# Allegro board RK3576_TEMPLATE_LP4XD200P132SD6_24X34_2133MHz_H1R6_V11_20240529YWQ.brd (continued)
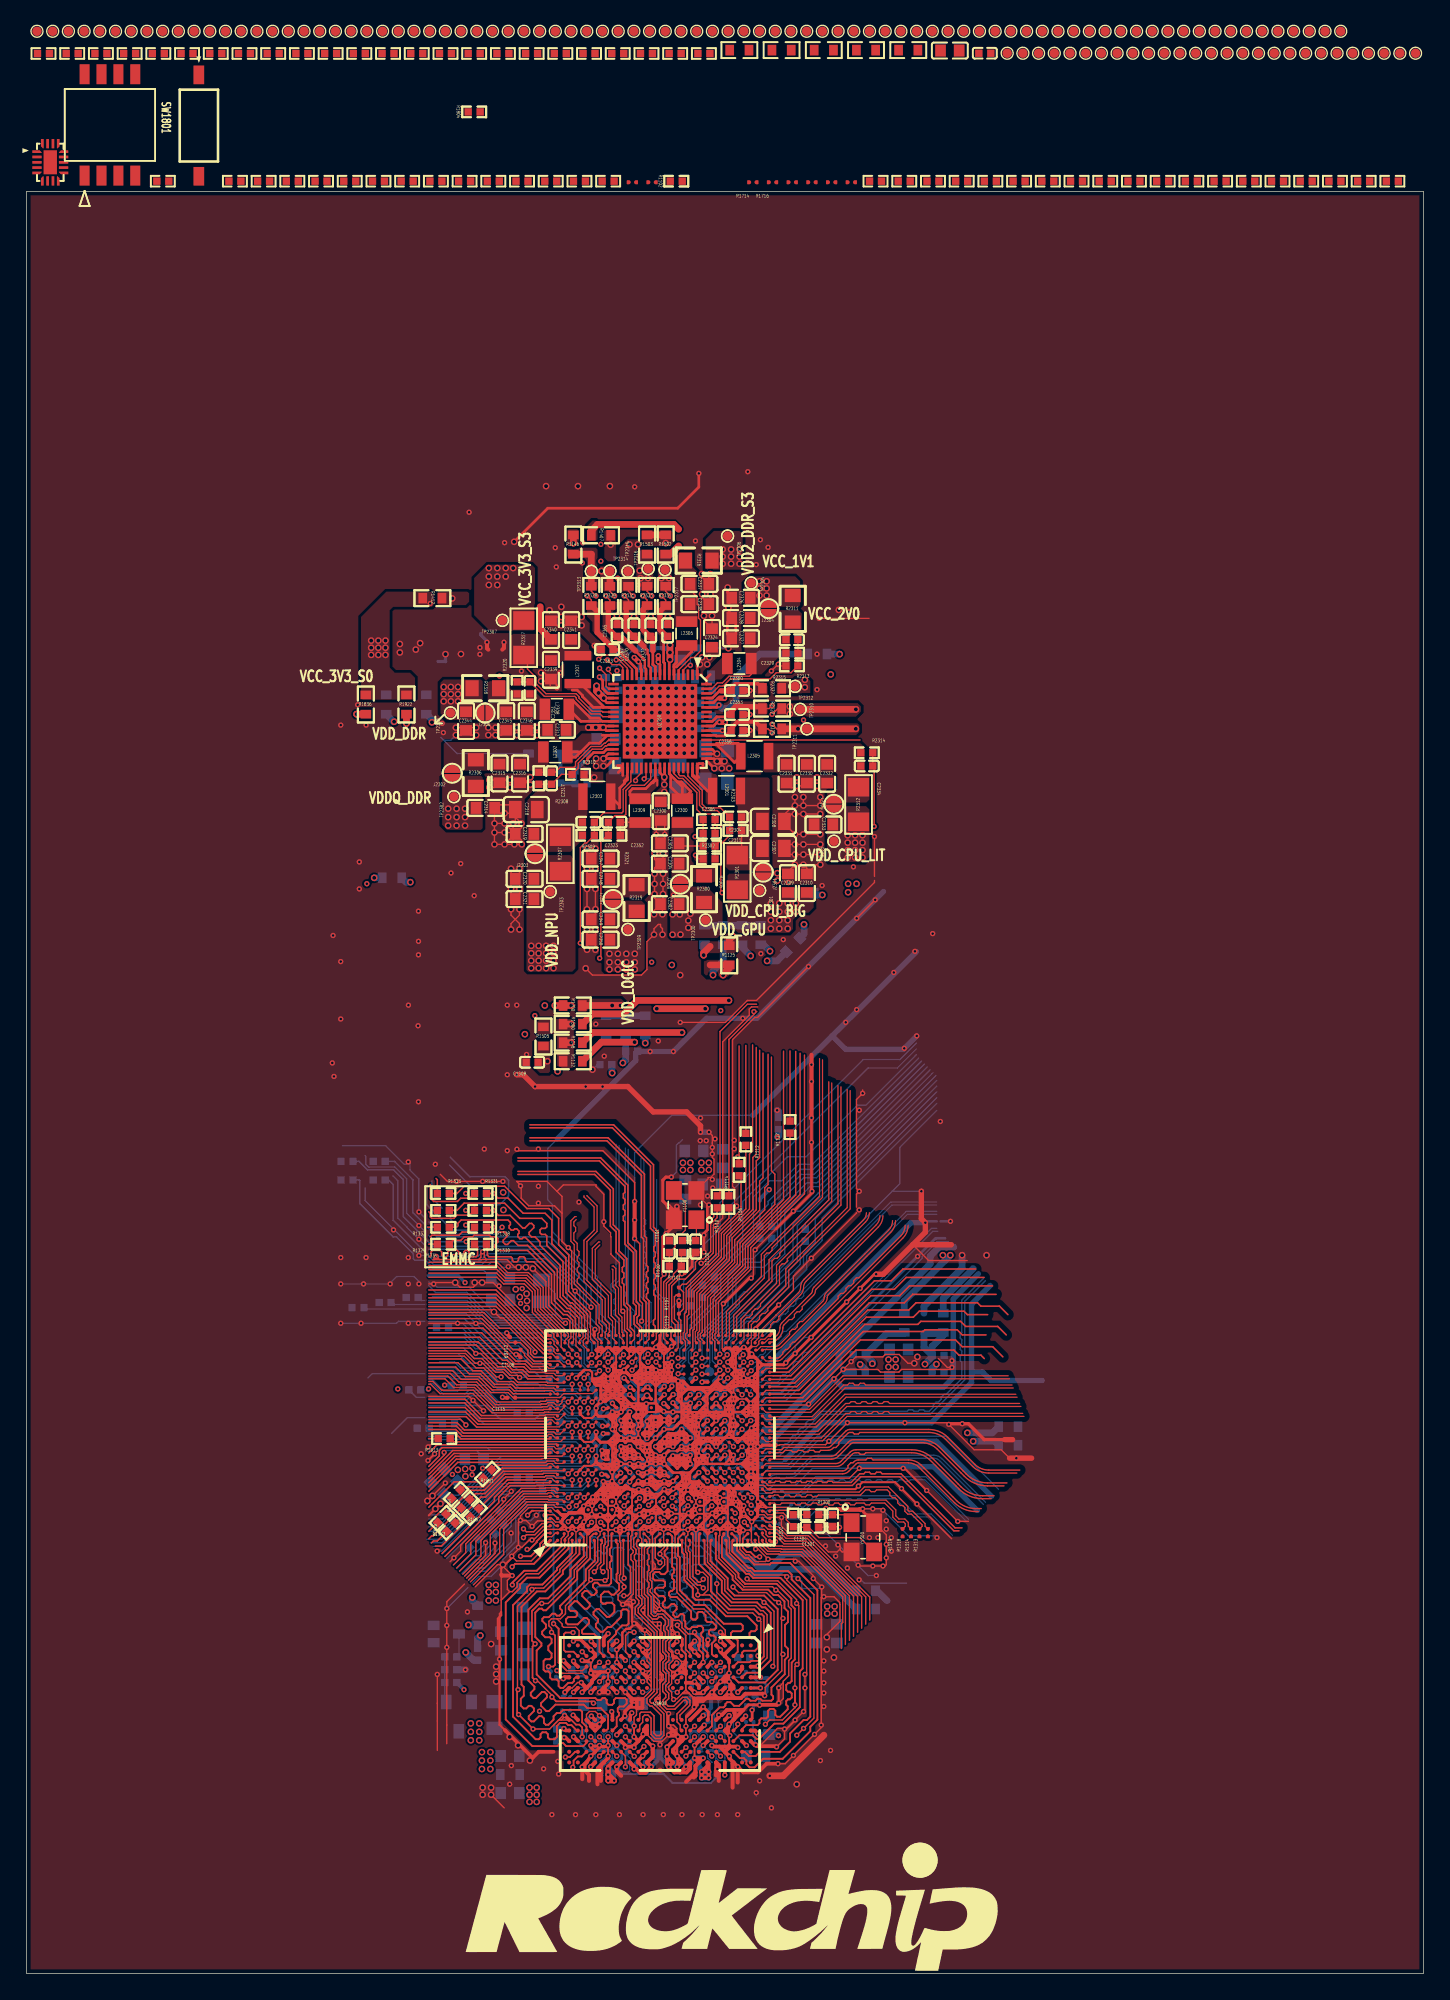
[diagram p0: board, top side]
## Routing (per net, layer and track width the routed paths; a pad name or vN(x,y) marks a point on that pad's centre or on a via; arc(x,y) is an arc through that point) (continued)
VCC5V0_SYS_S5: length 20.7
  TOP w0.203: v2(51.71,90.6) 51.71,90.6 51.13,91.19 U2300.52 51.69,91.33 ; U2300.7 48.32,98.72 v2(48.38,98.77) ; U2300.28 43.59,93.43 v2(43.35,93.67) 43.46,93.78 U2300.27 ; U2300.33 43.73,91.68 v2(43.38,91.33) U2300.34 44.12,91.27 43.63,90.78 ; U2300.22 43.63,95.53 43.4,95.77 v2(43.4,95.88) 43.4,95.88 U2300.21 ; 51.94,91.69 v2(51.92,91.69) 51.89,91.69 51.55,92.03 U2300.54 ; v2(50.63,98.42) 50.55,98.42 50.43,98.3 U2300.1 50.75,97.63 ; U2300.53 51.88,91.68 ; U2300.43 47.62,90.27 v2(47.95,89.94) ; U2300.64 51.64,95.53 51.99,95.88 52.13,95.88 ; 47.98,89.74 U2300.44
  TOP w0.406: v1(52.48,95.88) 52.13,95.88
  TOP w0.508: v2(43.35,93.67) v2(42.8,93.67) v2(42.24,93.67) ; v2(43.4,95.88) 43.39,95.88 v2(43.01,96.27) 43.01,96.27 42.86,96.41 v2(42.86,96.79) ; v2(48.38,99.87) v2(48.38,99.31) v2(48.38,98.77) ; 52.4,91.13 51.89,91.13
  BOTTOM w0.305: v2(48.38,99.31) 48.06,99.63 R2324.1 ; R3810.1 v1(32.89,21.33) ; 43.42,90.74 v2(43.38,90.78)
  vias: v2(42.82,91.33) v2(42.82,90.78) v2(47.95,89.38) v2(47.95,88.82) v2(50.79,98.94) v2(51.18,98.42) v2(51.34,98.94) v2(51.92,91.13) v2(52.27,90.6) v2(52.47,91.13) v2(52.83,90.6)
VCC_1V1_NLDO_S3: length 3
  TOP w0.203: U2300.9 47.62,98.39 47.5,98.52 v1(47.5,98.6) ; v1(46.01,98.61) 46.18,98.44 46.18,98.07 46.23,98.02 U2300.13
  TOP w0.381: v1(46.01,98.61) v1(45.69,98.93) ; v1(47.5,98.6) v1(47.5,99.06)
VCC_1V8_S3: length 30.6
  TOP w0.508: v2(53.09,77.98) 52.83,77.72 R1125.2
  L4-SIG w0.508: v2(53.09,77.98) 53.47,78.36 53.47,81.6 52.45,82.62 52.45,83.57 53.85,84.96 53.85,92.09 53.66,92.28 53.66,105.93 v2(53.61,105.98) v2(53.61,106.52)
  vias: v2(34.24,16.64) v2(34.24,16) v2(34.24,15.37) v2(34.87,16.64) v2(34.87,16) v2(34.87,15.37) v2(52.34,107.06) v2(52.34,106.52) v2(52.34,105.98) v2(52.97,107.06) v2(52.97,106.52) v2(52.97,105.98) v2(53.61,107.08)
VCC_1V8_S3_P: length 7.2
  TOP w0.102: U2300.5 49.02,98 49.96,98.93 50.18,98.93 50.67,99.42 50.67,101.75 50.53,101.9 50.53,102.84 50.42,102.95 50.42,103.48 50.14,103.76
VCC_2V0_PLDO_S3: length 2.7
  TOP w0.203: v1(52.09,94.07) 51.92,94.07 51.64,93.78 U2300.59
  TOP w0.406: v1(52.54,94.07) v1(52.09,94.07)
  BOTTOM w0.406: C2354.1 51.64,94.55 52.09,94.09 v1(52.09,94.07) v1(52.54,94.07)
VCC_3V3_S0:
  vias: v1(30.35,103) v2(25.91,100.21) v2(25.91,99.67) v2(25.91,99.13) v2(26.45,100.21) v2(26.45,99.67) v2(26.45,99.13) v2(26.98,100.21) v2(26.98,99.67) v2(26.98,99.13)
VCC_3V3_S3:
  vias: v2(34.76,105.66) v2(34.76,105.02) v2(34.76,104.39) v2(35.39,105.66) v2(35.39,105.02) v2(35.39,104.39) v2(36.03,105.66) v2(36.03,105.02) v2(36.59,105.66)
VCC_3V3_S3_P: length 12.3
  TOP w0.102: 37.66,99.49 37.66,98.07 38.28,97.45 38.28,96.99 39.05,96.22 41.31,96.22 41.54,95.98 41.54,95.88 42.53,94.89 43.25,94.89 43.31,94.83 43.32,94.83 U2300.24
  TOP w0.508: C2340.1 38.62,101.1 38.62,102.75
VCCA1V8_PLDO2_S0: length 2
  TOP w0.203: U2300.58 52.31,93.43 v1(52.32,93.44)
  BOTTOM w0.508: C2355.1 51.7,93.44 v1(52.32,93.44)
VCCA1V8_PLDO6_S3: length 26.4
  TOP w0.203: U2300.20 43.69,96.23 43.32,96.6 43.32,97.2 43.07,97.45 v1(43.07,97.47)
  L4-SIG w0.508: v2(48.51,75.82) 44.58,79.76 44.58,95.97 v1(43.07,97.47)
  BOTTOM w0.406: C2357.1 43.55,97.47 v1(43.07,97.47)
VCCA_1V8_S0: length 28.5
  TOP w0.102: v1(56.06,94.66) 56.49,95.1 R2322.2
  TOP w0.508: TP2310.1 v2(62.36,95.04)
  L4-SIG w0.508: v2(57.39,95.25) v2(57.39,94.69) 57.39,92.83 55.21,90.64 ; 63.34,91.32 62.96,91.7 62.96,94.43 v2(62.36,95.04)
  BOTTOM w0.508: R1507.2 R1701.2 R1136.1 ; 71.18,52.99 68.92,50.74 R1409.2 ; R1202.1 33.6,23.55 v2(33.02,24.13) ; R1506.2 R1602.2 R1501.2 R1119.1 ; 64.7,28.02 63.96,28.77 R1323.2
  vias: v2(56.45,82.72) v2(56.45,82.16)
VCCA_1V8_S0_P: length 5.7
  TOP w0.102: v1(56.06,95.32) 55.83,95.1 R2322.1
  TOP w0.203: U2300.60 51.56,94.13 51.9,94.47 52.53,94.47 52.71,94.65
  TOP w0.406: 52.71,94.65 C2353.1 52.97,94.89 53.32,95.23 55.19,95.23 R2322.1
VCCA_3V3_S0: length 0.9
  BOTTOM w0.508: R2326.2 61.13,99.19 v2(61.13,99.19)
VCCA_3V3_S0_P: length 11.1
  TOP w0.203: U2300.63 51.9,95.18 v1(52.06,95.35)
  BOTTOM w0.406: v1(52.06,95.35) 51.74,95.35 51.59,95.5 C2358.1
  BOTTOM w0.508: v1(52.06,95.35) 52.29,95.12 52.83,95.12 53.34,95.63 53.34,97.41 55.12,99.19 R2326.1
VCCIO0_1V8: length 52.9
  TOP w0.203: U1000.1J20 v1(44.93,44.76)
  L4-SIG w0.203: 44.46,47.59 44.46,45.23 v1(44.93,44.76)
  L4-SIG w0.508: 44.46,47.59 44.46,48.13 43.18,49.4 43.18,51.02 42.04,52.16 42.04,54.05 40.59,55.49 40.59,68.01 37.99,70.61 v2(37.47,70.61) ; v2(30.48,94.06) 30.48,83.33 34.42,79.39 34.42,73.66
  BOTTOM w0.305: C1308.1 44.91,44.74 v1(44.93,44.76)
  BOTTOM w0.508: v2(30.48,94.06) 30.48,94.26 R1346.1
VCCIO1: length 51
  TOP w0.203: v1(43.31,41.14) 43.64,41.14 U1000.2A8
  L4-SIG w0.178: 39.28,41.53 42.84,41.53 43.23,41.14 v1(43.31,41.14)
  L4-SIG w0.508: 39.28,41.53 36.77,41.53 30.89,47.41 30.89,49.73 ; 30.05,50.56 30.05,74.34 28.85,75.54 v2(28.85,82.04)
  BOTTOM w0.305: v1(43.31,41.14) 43.15,41.14 C1309.1
  BOTTOM w0.508: R1354.1 28.53,82.04 v2(28.85,82.04)
VCCIO2: length 27.6
  TOP w0.203: U1000.2A2 43.56,37.5 43.27,37.5 v1(43.24,37.53)
  L4-SIG w0.178: v1(43.24,37.53) 43.22,37.53 42.78,37.96 40.25,37.96 40.01,37.72
  L4-SIG w0.508: 34.54,20.45 34.54,23.88 32.51,25.91 32.51,27.33 32.9,27.71 32.9,32.59 35.32,35.01 35.32,36.08 36.96,37.72 40.01,37.72
  BOTTOM w0.305: v1(43.24,37.53) 43.27,37.5 43.56,37.5 C1800.1
VCCIO3: length 50.2
  TOP w0.229: v1(44.05,42.86) 44.05,42.82 44.33,42.53 U1000.2B10
  L4-SIG w0.089: 43.69,42.13 43.73,42.16 43.73,42.53 v1(44.05,42.86) U1000.2B10 44.37,42.07 44.13,41.83 43.39,41.83
  L4-SIG w0.178: 43.69,42.13 43.37,41.81 39.85,41.81 39.43,42.23
  L4-SIG w0.508: 39.43,42.23 37.65,42.23 35.79,44.09 35.08,44.09 31.5,47.68 31.5,79.38
  BOTTOM w0.305: C1801.1 44.05,42.94 v1(44.05,42.86)
VCCIO4: length 69.2
  TOP w0.203: v1(43.36,40.58) U1000.2A7
  TOP w0.508: R1922.1 v2(28.56,93.98)
  L4-SIG w0.102: v1(43.36,40.58) 43.07,40.29 40.48,40.29 40.45,40.32
  L4-SIG w0.508: 29.94,49.82 28.15,51.61 28.15,62.79 27.97,62.97 27.97,93.38 v2(28.56,93.98) ; 30.24,49.51 30.28,49.48 30.28,45.38 v1(31.43,44.23) ; v1(31.43,44.23) 31.15,43.94 v1(30.23,43.94) ; v1(31.43,44.23) 31.97,43.69 33.75,43.69 37.12,40.32 40.45,40.32
  BOTTOM w0.305: 30.16,43.87 v1(30.23,43.94) ; C1901.1 43.37,40.57 v1(43.36,40.58) 43.36,40.56 C1900.1 ; v1(31.43,44.23) 31.44,44.22 R1917.1
  BOTTOM w0.508: R1922.1 v2(28.56,93.98)
VCCIO5: length 73.1
  TOP w0.229: v1(43.36,38.78) 43.27,38.88 v1(43.27,39.3) 43.71,39.3 U1000.2A5 ; v1(43.36,38.78) 43.51,38.63 U1000.2A4 43.7,38.66 43.7,39.12 43.73,39.14 U1000.2A5 ; v1(43.36,38.78) 43.36,38.92 U1000.2A5
  L4-SIG w0.305: v1(43.27,39.3) 42.76,39.81 35.25,39.81
  L4-SIG w0.508: v2(27.64,94.11) 27.36,93.83 27.36,63.04 26.69,62.38 26.69,45.16 v1(27.91,43.94) 29.43,42.42 29.94,42.42 ; 30.24,42.42 32.64,42.42 35.25,39.81
  BOTTOM w0.305: C1902.1 43.47,39.5 v1(43.27,39.3) 43.27,38.88 v1(43.36,38.78) 43.36,38.73 C1903.1
  BOTTOM w0.508: v2(27.64,94.11) 27.6,94.11 R1937.1
VCCIO6: length 128.7
  TOP w0.229: U1000.2N3 v1(51.85,37.66)
  TOP w0.508: v2(24.82,94.67) R1836.1
  L4-SIG w0.203: v1(51.85,37.66) 52.23,38.04 54.24,38.04 54.32,38.12 54.85,38.12 55.12,37.85 58.42,37.85
  L4-SIG w0.508: v2(24.82,94.67) 25.27,94.67 31.43,100.84 32.26,100.84 33.78,102.36 35.98,102.36 38.51,104.89 38.51,107.59 40.41,109.49 55.37,109.49 57.78,107.09 ; 58.42,37.85 61.31,37.85 69.02,45.56 69.02,49.65 64.18,54.49 64.18,72.83 60.46,76.55 v2(60.46,97.66) 60.46,102.22 57.78,104.91
  BOTTOM w0.229: v1(51.85,37.66) 52.11,37.92 C1802.1
  BOTTOM w0.508: R1836.1 v2(24.82,94.67)
VCCIO7_VCC: length 34.3
  TOP w0.229: U1000.2M3 v1(51.2,37.66)
  L4-SIG w0.089: 53.93,37.33 54.12,37.33 54.12,37.34 ; 53.93,37.33 53.59,37.33 ; 53.93,37.33 54.12,37.14 ; 53.59,37.33 53.47,37.21 ; 53.59,37.33 53.47,37.33 ; 52.83,37.33 52.95,37.33 ; 52.83,37.33 52.83,37.15 52.83,37.14 ; 52.83,37.33 52.7,37.33 ; 52.95,37.33 52.83,37.2 ; 52.95,37.33 53.28,37.33 ; 52.7,37.33 52.18,37.33 ; 52.7,37.33 52.83,37.21 52.83,37.2 ; 52.18,37.33 52.18,36.87 52.34,36.71 ; 52.18,37.33 51.53,37.33 51.52,37.33 51.52,36.74 51.59,36.68 52.3,36.68 52.34,36.71 ; 52.83,36.87 52.83,37.14 ; 52.83,36.87 52.83,36.87 52.83,36.68 ; 52.83,36.87 52.83,36.87 ; 52.83,37.14 52.83,37.2 ; 53.01,36.68 52.83,36.87 ; 53.01,36.68 53.28,36.68 ; 53.01,36.68 52.83,36.68 ; 52.83,36.87 52.64,36.68 ; 53.47,37.15 53.47,37.14 53.47,36.87 53.47,36.87 ; 53.47,37.15 53.47,37.21 ; 53.47,37.15 53.28,37.33 ; 53.47,37.21 53.47,37.33 ; 53.47,36.81 53.59,36.68 ; 53.47,36.81 53.47,36.87 ; 53.47,36.81 53.47,36.68 ; 53.59,36.68 53.47,36.68 ; 53.59,36.68 53.93,36.68 ; 53.47,36.87 53.28,36.68 ; 53.28,36.68 53.47,36.68 ; 54.12,37.14 54.12,37.34 ; 54.12,37.14 54.12,36.87 ; 53.28,37.33 53.47,37.33 ; 52.64,36.68 52.37,36.68 52.34,36.71 ; 52.64,36.68 52.83,36.68 ; 54.12,37.34 54.27,37.34 54.34,37.41 54.92,37.41 55.12,37.21 ; 54.23,36.68 54.59,36.68 54.99,37.08 ; 54.23,36.68 54.12,36.79 54.12,36.87 ; 54.23,36.68 53.93,36.68 ; 54.12,36.87 53.93,36.68
  L4-SIG w0.102: 56.33,37.21 55.12,37.21 54.99,37.08
  L4-SIG w0.33: v1(51.2,37.66) 51.52,37.33
  L4-SIG w0.508: 56.33,37.21 62.74,37.21 66.17,40.64 v2(70.74,40.64)
  BOTTOM w0.305: v1(51.2,37.66) 51.2,37.77 C1300.1
  BOTTOM w0.508: R1308.1 72.62,40.64 v2(70.74,40.64)
VCCIO_SD_S0: length 60.1
  L4-SIG w0.508: v2(58.52,96.7) v2(58.52,97.25) 58.52,103.31 57.17,104.66 57.17,106.84 ; v2(26.14,82.37) 26.14,94.68 31.31,99.85 32.31,99.85 34.21,101.75 36.23,101.75 39.12,104.63 39.12,107.34 40.66,108.88 55.12,108.88
  BOTTOM w0.508: R1354.2 v2(26.14,82.37)
VCCIO_SD_S0_P: length 4.9
  TOP w0.203: 52.22,96.43 52.11,96.43 51.56,95.88 U2300.65
  TOP w0.254: R2327.1 54.99,96.96 53.3,96.96 52.97,96.63 C2360.1
  TOP w0.406: 52.22,96.43 52.97,96.43
VDD1_1V8_DDR_S3: length 18.5
  TOP w0.279: v1(51.23,25.07) 51.2,25.04 U3800.F1 ; v1(44.38,17.94) U3800.T9 ; U3800.U1 v1(44.37,24.99) ; U3800.T4 v1(45.03,21.94) ; U3800.F12 51.29,15.77 v1(51.29,15.16) v1(50.75,15.16) 50.81,15.21 50.81,15.21 51.2,15.61 U3800.F12
  TOP w0.305: U3800.U12 43.73,15.54 v1(43.73,15.4) ; U3800.G4 v1(50.87,21.94) ; v1(50.75,15.16) v1(50.75,14.7) v1(51.29,14.7) v1(51.29,15.16) ; U3800.G9 v1(50.95,18.66)
  TOP w0.406: v1(43.73,14.95) v1(44.18,14.49) v1(43.73,14.49) v1(43.73,14.95) ; v1(43.73,14.95) v1(43.73,15.4)
  L4-SIG w0.203: v1(43.73,15.4) v1(43.73,14.95)
  L4-SIG w0.254: v1(51.29,15.16) v1(50.75,15.16)
  BOTTOM w0.254: C3841.1 51.23,25.46 v1(51.23,25.07) ; v1(45.03,21.94) 45.03,22 C3842.1 ; C3837.1 51.22,18.93 v1(50.95,18.66)
  BOTTOM w0.305: C3843.1 43.85,15.4 v1(43.73,15.4) v1(43.73,14.95) ; C3843.1 43.9,14.95 v1(43.73,14.95) ; C3843.1 44.18,15.07 v1(44.18,14.49) v1(43.73,14.49) v1(43.73,14.95) ; C3844.1 44.01,24.99 v1(44.37,24.99) ; v1(44.38,17.94) 44.62,18.18 C3840.1 ; C3838.1 50.57,21.63 v1(50.87,21.94)
  BOTTOM w0.406: C3839.1 50.54,15.54 50.75,15.33 v1(50.75,15.16) ; v1(50.75,15.16) v1(50.75,14.7) v1(51.29,14.7) v1(51.29,15.16) v1(50.75,15.16)
  vias: v2(37.82,13.97) v2(37.82,13.43) v2(37.82,12.89) v2(38.35,13.97) v2(38.35,13.43) v2(38.35,12.89)
VDD2_DDR_S3: length 37.2
  TOP w0.203: v1(50.87,20.04) 51.26,19.65 51.26,19.12 U3800.F8
  TOP w0.254: U3800.N3 v1(46.33,23.39) ; U3800.U8 44.05,19.63 v1(43.99,19.68) ; U3800.AB9 40.54,18.26 v1(40.39,18.41) ; U3800.G2 v1(50.22,24.19) ; U3800.N10 47.02,17.09 v1(47.08,17.09) ; v1(45.51,19.59) 45.4,19.48 45.4,19.11 U3800.R8
  TOP w0.279: 49.14,15.1 48.71,15.1 v1(48.27,15.54) ; 49.14,15.1 v1(49.57,15.54) 49.9,15.86 U3800.H12 49.9,15.38 49.62,15.1 49.14,15.1 ; v1(48.27,15.54) 48.6,15.86 U3800.K12 v1(48.16,16.3) ; v1(48.27,15.54) 48.16,15.65 v1(48.16,16.3) ; U3800.N1 v1(46.33,24.99) ; U3800.A9 54.76,18.26 v1(54.99,18.03) ; U3800.F5 v1(50.87,21.14) 50.79,21.05 50.31,21.05 v1(50.22,21.14) U3800.H5 ; U3800.K3 48.87,23.33 48.87,23.34 v1(48.87,23.34) ; v1(48.16,16.3) v1(48.16,17.02) U3800.K10 ; U3800.K1 v1(48.9,24.96) ; U3800.R1 v1(45.67,24.99) ; U3800.A4 v1(55.18,22.26) ; U3800.T2 v1(45.03,23.54) ; U3800.H8 v1(50.87,20.04) ; U3800.R5 v1(45.67,21.14) ; v1(50.22,24.19) 49.9,24.51 U3800.H1 v1(50.22,24.99)
  TOP w0.305: v1(40.36,22.15) 40.46,22.26 U3800.AB4 ; U3800.U5 v1(44.38,21.14) ; v1(47.08,17.09) 47.08,16.29 U3800.N12 v1(46.97,15.54) 46.53,15.09 46.12,15.09 45.85,15.37 v1(45.68,15.37) 45.68,15.53 U3800.R12
  BOTTOM w0.089: C3834.1 v1(44.38,21.14)
  BOTTOM w0.102: v1(43.99,19.68) 44.04,19.64 C3835.1
  BOTTOM w0.254: v1(55.18,22.26) 55.25,22.2 C3832.1 ; 50.22,24.19 v1(50.22,24.19) ; 50.22,24.19 v1(50.22,24.99) 50.28,24.99 C3826.1 50.22,24.19 ; v1(45.67,24.99) 45.91,25.22 C3828.1 46.09,25.22 v1(46.33,24.99) ; v1(46.33,23.39) 46.33,23.61 C3830.1
  BOTTOM w0.279: C3827.1 49.57,15.59 v1(49.57,15.54)
  BOTTOM w0.305: C3831.1 39.95,22.15 v1(40.36,22.15) ; C3822.1 48.27,15.6 v1(48.27,15.54) ; C3822.1 47.08,16.79 v1(47.08,17.09) ; C3822.1 47.43,15.99 v1(46.97,15.54) ; v1(45.68,15.37) 45.82,15.51 45.82,15.79 C3829.1 ; v1(48.87,23.34) 48.88,23.34 48.88,23.34 48.97,23.34 49.17,23.13 C3833.1
  BOTTOM w0.406: v1(54.99,18.03) 55.06,17.97 C3823.1 55.85,17.96 56.46,17.96 v1(56.54,17.88) ; v1(40.39,18.41) 40.37,18.38 C3825.1
  BOTTOM w0.508: v2(33.22,26.2) R3809.1
  vias: v2(33.4,18.8) v2(33.4,18.16) v2(33.4,17.53) v2(34.04,18.8) v2(34.04,18.16) v2(34.04,17.53) v2(55.11,104.67) v2(55.11,104.13) v2(55.11,103.59) v2(55.65,104.67) v2(55.65,104.13) v2(55.65,103.59)
VDD2_DDR_S3_P: length 4.6
  TOP w0.102: U2300.67 51.5,96.58 51.94,97.03 52.32,97.03 52.82,97.53 54.35,97.53 54.49,97.67 L2304.1
VDD_0V75_S3: length 4.6
  TOP w0.102: R2328.2 42.46,103.92 v1(42.82,103.56)
  TOP w0.508: R2328.2 TP2313.1 42.46,106.7 R1146.2
VDD_0V75_S3_P: length 7.6
  TOP w0.102: R2328.1 42.46,103.25 v1(42.16,103.56)
  TOP w0.203: C2363.1 44.41,99.54 45.87,98.07 U2300.14
  TOP w0.406: R2328.1 42.9,102.4 42.9,100.82 44.1,99.62 C2363.1
VDD_CPU_BIG_S0: length 110.1
  TOP w0.102: v1(52.3,81.25) 52.2,81.35 52.2,84.89 52.86,85.56 R2304.2 C2311.2 52.18,87.63 51.08,87.63 50.8,87.91 50.8,88.95 49.73,90.02 U2300.49
  TOP w0.178: v1(48.6,39.61) 48.6,39.61 v1(47.95,39.61) ; v1(48.6,40.26) v1(49.25,40.26)
  TOP w0.203: 49.9,40.26 U1000.2K7 ; U1000.2K7 49.25,40.26 ; U1000.2K7 v1(49.25,40.91)
  TOP w0.229: U1000.2H6 v1(48.6,40.26) ; U1000.2H6 v1(47.95,39.61) ; U1000.2H6 U1000.2J6 ; U1000.2H6 48.03,40.18 v1(47.97,40.18) ; U1000.2H6 v1(48.6,39.61) U1000.2J6 ; v1(48.6,40.26) U1000.2J6 ; v1(48.6,40.26) 48.05,40.26 v1(47.97,40.18) ; v1(48.6,40.26) U1000.2J7 ; v1(48.6,40.26) U1000.2H7 ; U1000.2J7 v1(49.25,40.91) ; U1000.2J7 v1(49.25,40.26) ; U1000.2J7 U1000.2K7 ; U1000.2J7 U1000.2H7 ; U1000.2J6 v1(49.25,40.26) ; v1(49.25,40.26) 49.25,40.26 v1(49.9,40.26) U1000.2K6 v1(49.25,40.26) ; v1(47.97,40.18) 47.87,40.18 U1000.2G6 ; v1(47.97,40.18) 47.97,40.28 ; v1(47.95,39.61) 47.95,40.26 47.97,40.28 ; v1(47.95,39.61) U1000.2G5 v1(47.3,39.61) ; v1(47.95,39.61) U1000.2G6 ; v1(47.95,39.61) v1(47.3,39.61) ; U1000.2G6 v1(47.3,39.61) ; 47.97,40.28 U1000.2H7
  L3-POWER w0.089: 47.66,40.57 47.16,40.57 46.97,40.38 46.97,39.94 v1(47.3,39.61) 47.36,39.61 47.39,39.58 ; v1(48.6,39.61) 48.23,39.24 ; v1(49.9,40.26) 50.04,40.26 50.29,40.51 54.49,40.51 54.86,40.89 54.86,42.55 ; v1(49.9,40.26) 49.96,40.32 50.07,40.22 55.08,40.22 55.37,40.51 ; v1(49.9,40.26) 49.9,40.26 ; 49.28,47.37 49.28,46.46 49.33,46.4 49.33,42.98 48.9,42.55 48.48,42.55 48.27,42.34 48.27,40.58 v1(48.6,40.26)
  L3-POWER w0.102: v1(52.3,81.25) 52.65,80.9 59.18,80.9 59.94,80.14 59.94,57.12 58.37,55.55 58.37,43.51 55.37,40.51
  L3-POWER w0.305: v1(48.6,39.61) v1(49.25,40.26) 49.9,40.26
  L3-POWER w0.406: 47.29,39.51 47.36,39.58 47.39,39.58
  BOTTOM w0.152: 47.3,39.6 v1(47.3,39.61)
  BOTTOM w0.305: C1002.1 48.37,39.84 v1(48.6,39.61) v1(49.25,40.26) 49.25,40.26 v1(49.9,40.26) 50.14,40.26 C1000.1 49.63,41.1 C1006.1 49.31,40.91 v1(49.25,40.91) 48.94,40.6 C1005.1 48.6,40.33 48.6,40.26 ; C1002.1 48.18,39.84 v1(47.95,39.61) ; C1002.1 48.6,40.16 v1(48.6,40.26) 48.6,40.26 ; v1(47.95,39.61) 47.64,39.92 C1004.1 47.61,39.92 v1(47.3,39.61) ; v1(47.95,39.61) 47.63,39.28 C1003.1 47.3,39.6 ; 48.6,40.26 C1001.1
  vias: v2(50.74,60.95) v2(50.74,60.41) v2(51.3,60.95) v2(51.3,60.41) v2(55.96,80.45) v2(55.96,79.82) v2(55.96,79.18) v2(55.96,78.55) v2(56.6,80.45) v2(56.6,79.82) v2(56.6,79.18) v2(56.6,78.55) v2(57.23,80.45) v2(57.23,79.82) v2(57.23,79.18) v2(57.23,78.55) v2(57.85,80.45) v2(57.85,79.82)
VDD_CPU_BIG_S0_P: length 3
  TOP w0.102: R2301.1 53.76,84.4 R2304.1 C2311.1
VDD_CPU_LIT_S0: length 126.2
  TOP w0.102: U2300.56 51.13,92.73 62.67,92.73 ; R2314.2 C2334.2 63.73,90.68 v1(63.73,86.23)
  TOP w0.178: v1(49.9,38.31) v1(49.9,38.96) v1(49.25,38.96)
  TOP w0.229: U1000.2K4 49.58,37.98 ; U1000.2K4 v1(49.9,38.96) ; U1000.2K4 U1000.2J4 ; U1000.2K4 49.25,38.31 ; U1000.2K4 v1(49.9,38.31) ; U1000.2K4 v1(49.25,38.96) ; 49.58,37.98 v1(49.9,38.31) ; 49.58,37.98 U1000.2K3 49.25,38.31 ; v1(49.9,38.31) 49.25,38.31 ; U1000.2J4 v1(49.25,38.96) ; U1000.2J4 49.25,38.31 ; U1000.2J4 48.92,38.63 ; U1000.2J4 48.65,38.91 ; 48.6,38.31 49.25,38.31 ; 48.6,38.31 U1000.2J3 49.25,38.31 ; 48.6,38.31 48.6,38.31 ; 49.25,38.31 49.25,38.31 ; U1000.2H4 48.92,38.63 ; U1000.2H4 48.6,38.31 ; U1000.2H4 48.55,38.91 v1(48.6,38.91) 48.65,38.91 ; 48.92,38.63 48.6,38.31 ; v1(49.25,38.96) 49.2,38.91 48.65,38.91
  L3-POWER w0.089: 50.18,39.93 49.76,39.93 49.57,39.74 49.57,39.28 v1(49.25,38.96) ; 53.93,37.33 54.13,37.53 54.13,38.12 54.36,38.35 ; 53.93,37.33 54.23,37.33 54.3,37.41 54.61,37.41 55.16,36.86 55.37,36.86 ; 53.93,37.33 52.26,37.33 52.18,37.42 52.18,37.89 52.09,37.98 51.6,37.98 51.41,38.17 50.04,38.17 v1(49.9,38.31) ; 50.22,39.93 55.37,39.93
  L3-POWER w0.102: 50.18,39.93 50.22,39.93 ; 59.56,47.75 58.84,47.03 58.84,43.6 55.27,40.03 50.2,40.03 50.1,39.93 ; 55.37,36.86 60.23,36.86 65.86,42.49 65.86,62.43 70.54,67.11 70.54,82.94 67.25,86.23 v1(63.73,86.23)
  L3-POWER w0.33: v1(49.9,38.31) v1(49.25,38.96) 49.2,38.91 v1(48.6,38.91)
  BOTTOM w0.229: C1009.1 50,38.31 v1(49.9,38.31) ; 49.25,38.96 v1(49.25,38.96) 48.65,38.96 v1(48.6,38.91) 49.14,38.37 C1012.1 ; 49.9,38.96 v1(49.9,38.96)
  BOTTOM w0.305: v1(49.25,38.96) 49.57,39.28 C1011.1 49.57,39.29 v1(49.9,38.96) 49.9,38.96 C1010.1
  vias: v2(61.74,85.57) v2(61.74,85.01) v2(61.74,84.45) v2(61.74,83.89) v2(62.3,85.57) v2(62.3,85.01) v2(62.3,84.45) v2(62.3,83.89) v2(62.85,85.57) v2(62.85,85.01) v2(62.85,84.45) v2(62.85,83.89) v2(64.81,46.15) v2(64.81,45.59) v2(65.34,46.15) v2(65.34,45.59)
VDD_DDR_S0: length 151.8
  TOP w0.102: v1(35.56,97.54) 36.32,97.54 36.76,97.1 R2320.2 C2351.2 38.93,96.01 41.22,96.01 41.33,95.9 41.33,95.8 42.45,94.69 43.12,94.69 43.33,94.48 U2300.25 ; 48.25,37.36 47.65,37.36
  TOP w0.178: v1(46,37.66) v1(46.65,37.66) v1(47.3,37.66) v1(47.95,37.66)
  TOP w0.203: v1(46,37.66) U1000.2E2 v1(46.65,37.66) ; v1(47.95,37.66) U1000.2H2
  TOP w0.229: v1(47.3,37.66) U1000.2G2 v1(47.95,37.66) U1000.2G3 v1(47.3,37.66) ; v1(47.3,37.66) U1000.2F3 v1(46.65,37.66)
  L3-POWER w0.089: v1(46,37.66) 46.32,37.98 46.32,38.44 46.52,38.63 46.99,38.63 ; 47.62,38.63 U1000.2G3 v1(47.3,37.66) ; 47.62,38.63 48.42,38.63 49.08,37.97 49.75,37.97 49.76,37.96 50.39,37.96 50.42,37.98 51.34,37.98 51.53,37.79 51.53,37.3 ; 47.62,38.63 46.99,38.63 ; 46.99,38.63 46.99,38.46 46.98,38.44 46.98,37.98 v1(46.65,37.66) ; 51.53,37.3 51.53,36.87 51.74,36.66 55.37,36.66 ; 51.53,37.3 51.37,37.3 51.33,37.33 51.07,37.33 51.03,37.3 48.96,37.3 48.27,37.98 v1(47.95,37.66)
  L3-POWER w0.102: v1(35.56,97.54) 35.43,97.66 31.37,97.66 29.59,95.88 29.59,92.71 34.29,88.01 36.23,88.01 38.75,85.49 46.69,85.49 47.2,86 48.13,86 48.64,85.49 49.79,85.49 50.12,85.82 50.58,85.82 51.54,86.79 52,86.79 52.74,86.05 63.04,86.05 63.58,86.59 67.18,86.59 70.75,83.02 70.75,67.03 66.07,62.35 66.07,42.41 60.31,36.66 55.37,36.66
  L3-POWER w0.381: v1(46,37.66) v1(46.65,37.66) v1(47.3,37.66) v1(47.95,37.66)
  BOTTOM w0.305: v1(46,37.66) 46.22,37.44 C1207.1 46.43,37.44 v1(46.65,37.66) 46.87,37.44 C1208.1 47.08,37.44 v1(47.3,37.66) 47.51,37.45 C1206.1 47.74,37.45 v1(47.95,37.66) 48.13,37.48 48.33,37.48
  vias: v2(31.36,96.72) v2(31.36,96.18) v2(31.36,95.64) v2(31.9,96.72) v2(31.9,96.18) v2(31.9,95.64) v2(32.44,96.72) v2(32.44,96.18) v2(32.44,95.64) v2(60.2,27.59) v2(60.2,27.05) v2(60.76,27.59) v2(60.76,27.05)
VDD_GPU_S0: length 103.4
  TOP w0.102: 45.7,38.66 46.3,38.66 ; 45.05,38.66 45.65,38.66 U1000.2D4 ; U2300.46 48.68,90.21 49.04,89.84 49.33,89.84 50.39,88.78 50.39,87.5 50.73,87.17 51.67,87.17 51.77,87.07 R2303.2 v1(51.77,86.23) C2306.2
  TOP w0.178: v1(45.35,39.61) v1(44.7,39.61) v1(44.7,38.96) v1(45.35,38.96) v1(46,38.96)
  TOP w0.203: v1(45.35,38.96) U1000.2D4 45.7,38.66 v1(46,38.96)
  TOP w0.229: v1(45.35,38.96) U1000.2C4 v1(44.7,38.96) U1000.2C5 ; v1(45.35,38.96) U1000.2D5 ; v1(45.35,38.96) U1000.2C5 ; U1000.2C5 45.03,39.28 ; U1000.2C5 U1000.2D5 ; 45.03,39.28 v1(45.35,39.61) U1000.2D5 ; 45.03,39.28 v1(44.7,39.61) ; U1000.2E4 v1(46,38.96) U1000.2D5
  L3-POWER w0.089: v1(44.7,39.61) 44.33,39.61 44.08,39.85 40.77,39.85 ; 44.32,36.58 44.73,36.58 45,36.85 45,37.19 45.09,37.28 45.42,37.28 45.68,37.54 U1000.2D4 v1(46,38.96) 46.32,39.28 46.32,39.74 46.13,39.93 45.86,39.93 45.54,39.61 v1(45.35,39.61)
  L3-POWER w0.102: v1(51.77,86.23) 51.56,86.23 50.41,85.08 37.61,85.08 37.4,85.29 34.99,85.29 32.78,83.09 31.56,83.09 29.11,80.64 29.11,76.29 28.96,76.15 28.96,73.04 29.08,72.92 29.08,40.16 31.72,37.52 v1(32.02,37.52) ; 48.33,77.62 48.33,77.79 48.57,78.03 v2(48.57,78.1) ; 40.77,39.85 39.52,39.85 39.37,40.01
  L3-POWER w0.33: v1(44.7,39.61) v1(45.35,39.61)
  BOTTOM w0.152: v1(46,38.96) v1(45.35,39.61) ; C1029.1 44.18,39.09 v1(44.7,39.61)
  BOTTOM w0.254: v1(44.7,39.61) 44.8,39.61 C1026.1 45.25,39.61 v1(45.35,39.61)
  BOTTOM w0.305: v1(44.7,38.96) 45.02,38.64 U1000.2C4 45.03,38.64 v1(45.35,38.96) 45.67,38.64 U1000.2D4 45.68,38.64 v1(46,38.96)
  vias: v1(33.5,37.49) v1(48.64,81.08) v2(32.43,37.86) v2(32.97,37.92) v2(33,37.38) v2(33.53,37.98) v2(48.57,79.62) v2(49.11,79.62) v2(49.16,78.1) v2(49.75,79.15) v2(49.75,78.61) v2(49.91,79.67)
VDD_GPU_S0_P: length 3.9
  TOP w0.102: C2305.1 49.27,84.76 R2302.1 C2306.1 R2303.1
VDD_LOGIC_S0: length 111.5
  TOP w0.102: v1(43.09,76.33) 43.18,76.42 43.18,85.09 43.66,85.57 R2321.2 C2352.2 44.24,87.05 44.96,87.05 45.06,87.15 45.06,88.93 45.46,89.33 46.45,89.33 46.93,89.8 U2300.41
  TOP w0.178: v1(47.3,40.91) v1(46.65,40.91) ; 47.57,41.88 47.03,41.88
  TOP w0.203: 46.69,40.95 46.69,41.43 46.66,41.45 v1(46.66,41.5) ; U1000.2F8 46.97,41.82 ; U1000.2J9 v1(48.6,41.56)
  TOP w0.229: v1(48.6,41.56) U1000.2H8 47.95,41.56 ; v1(48.6,41.56) 48,41.56 v1(47.95,41.61) ; v1(48.6,41.56) U1000.2H9 48,41.61 v1(47.95,41.61) ; U1000.2G8 U1000.2G9 47.62,41.88 ; U1000.2G8 47.3,41.56 ; U1000.2G8 v1(47.3,40.91) ; U1000.2G8 47.95,41.56 ; U1000.2G8 U1000.2F8 ; U1000.2F9 46.66,41.57 v1(46.66,41.5) ; U1000.2F9 47.03,41.88 v1(47.3,41.61) ; U1000.2F9 46.97,41.82 ; U1000.2F7 U1000.2E7 ; U1000.2F7 v1(47.3,40.91) ; U1000.2F7 v1(46.65,40.91) ; U1000.2F7 46.97,40.55 v1(46.64,40.22) 46.33,40.54 U1000.2E7 ; U1000.2E7 v1(46.65,40.91) ; 47.3,41.56 U1000.2F8 ; 47.3,41.56 v1(47.3,41.61) ; v1(47.95,41.61) 47.68,41.88 47.62,41.88 ; v1(47.95,41.61) v1(47.3,41.61) ; v1(47.95,41.61) 47.95,41.56 ; U1000.2F8 v1(46.65,40.91) ; U1000.2F8 v1(47.3,40.91) ; v1(47.3,41.61) 47.57,41.88 47.62,41.88
  L3-POWER w0.089: 46.65,42.02 46.13,42.53 ; 46.13,42.53 45.71,42.95 45.71,44.33 45.61,44.43 44.8,44.43 44.53,44.7 ; 46.13,42.53 45.87,42.53 45.72,42.68 ; 45.09,46.99 44.69,46.99 44.53,46.83 44.53,44.7 ; 47.75,47.37 47.76,47.36 47.76,47.33 47.77,47.32 47.77,44.45 ; 44.53,44.7 44.4,44.83 44.4,46.79 43.92,47.27 43.92,47.37 ; 44.53,44.7 44.53,43.87 45.72,42.68 ; v1(47.95,41.61) 47.5,42.06 47.5,44.18 47.77,44.45 ; 45.72,42.68 45.72,42.39 45.68,42.34 45.68,40.77 45.87,40.58 46.28,40.58 ; v1(46.64,40.22) 46.28,40.58 ; 46.28,40.58 46.33,40.58 46.64,40.9 ; 47.77,44.45 47.92,44.45 48.19,44.72 48.13,44.77 48.17,44.81 48.17,47.28 48.26,47.37
  L3-POWER w0.102: v1(43.09,76.33) 43.18,76.42 43.18,76.84 43.69,77.34 49.78,77.34 50,77.12 50,61.72 50.34,61.39 50.34,60.02 50,59.69 50,49.11 48.26,47.37 ; 47.75,47.37 47.75,49.53
  L3-POWER w0.305: v1(46.65,40.91) v1(47.3,40.91) 47.3,40.96 v1(47.95,41.61)
  L3-POWER w0.356: v1(46.64,40.22) 46.64,40.9 v1(46.65,40.91)
  L4-SIG w0.089: v1(46.64,40.22) 46.65,40.22 47.01,40.57 48.45,40.57 48.77,40.89 48.77,41.39 v1(48.6,41.56)
  BOTTOM w0.229: C1016.1 46.32,40.54 v1(46.64,40.22) 46.64,40.21 46.37,39.93 C1024.1 ; v1(48.6,41.56) 48,41.56 v1(47.95,41.61)
  BOTTOM w0.254: C1015.1 47.07,41.13 v1(47.3,40.91) ; 46.33,40.58 v1(46.65,40.91)
  BOTTOM w0.305: v1(46.65,40.91) 46.65,40.91 C1017.1 46.54,41.45 46.61,41.45 v1(46.66,41.5) 46.63,41.53 46.63,41.85 47.16,41.85 47.3,41.99 ; v1(48.6,41.56) 48.91,41.86 C1023.1 ; 47.3,41.99 v1(47.3,41.61) 46.98,41.28 C1015.1 ; 47.3,41.99 C1020.1 47.83,41.61 v1(47.95,41.61) 47.3,40.96 v1(47.3,40.91)
  vias: v2(43.82,76.66) v2(43.82,76.02) v2(43.82,75.48) v2(44.46,76.66) v2(44.46,76.02) v2(44.46,75.48) v2(45.09,76.66) v2(45.09,76.02) v2(45.09,75.48) v2(45.73,76.66) v2(45.73,76.02) v2(45.73,75.48) v2(49.35,60.94) v2(49.35,60.41) v2(49.91,60.94) v2(49.91,60.41)